# Altium PCB ir-24v-shit5-7.PcbDoc (part 1 of 6) (continued)
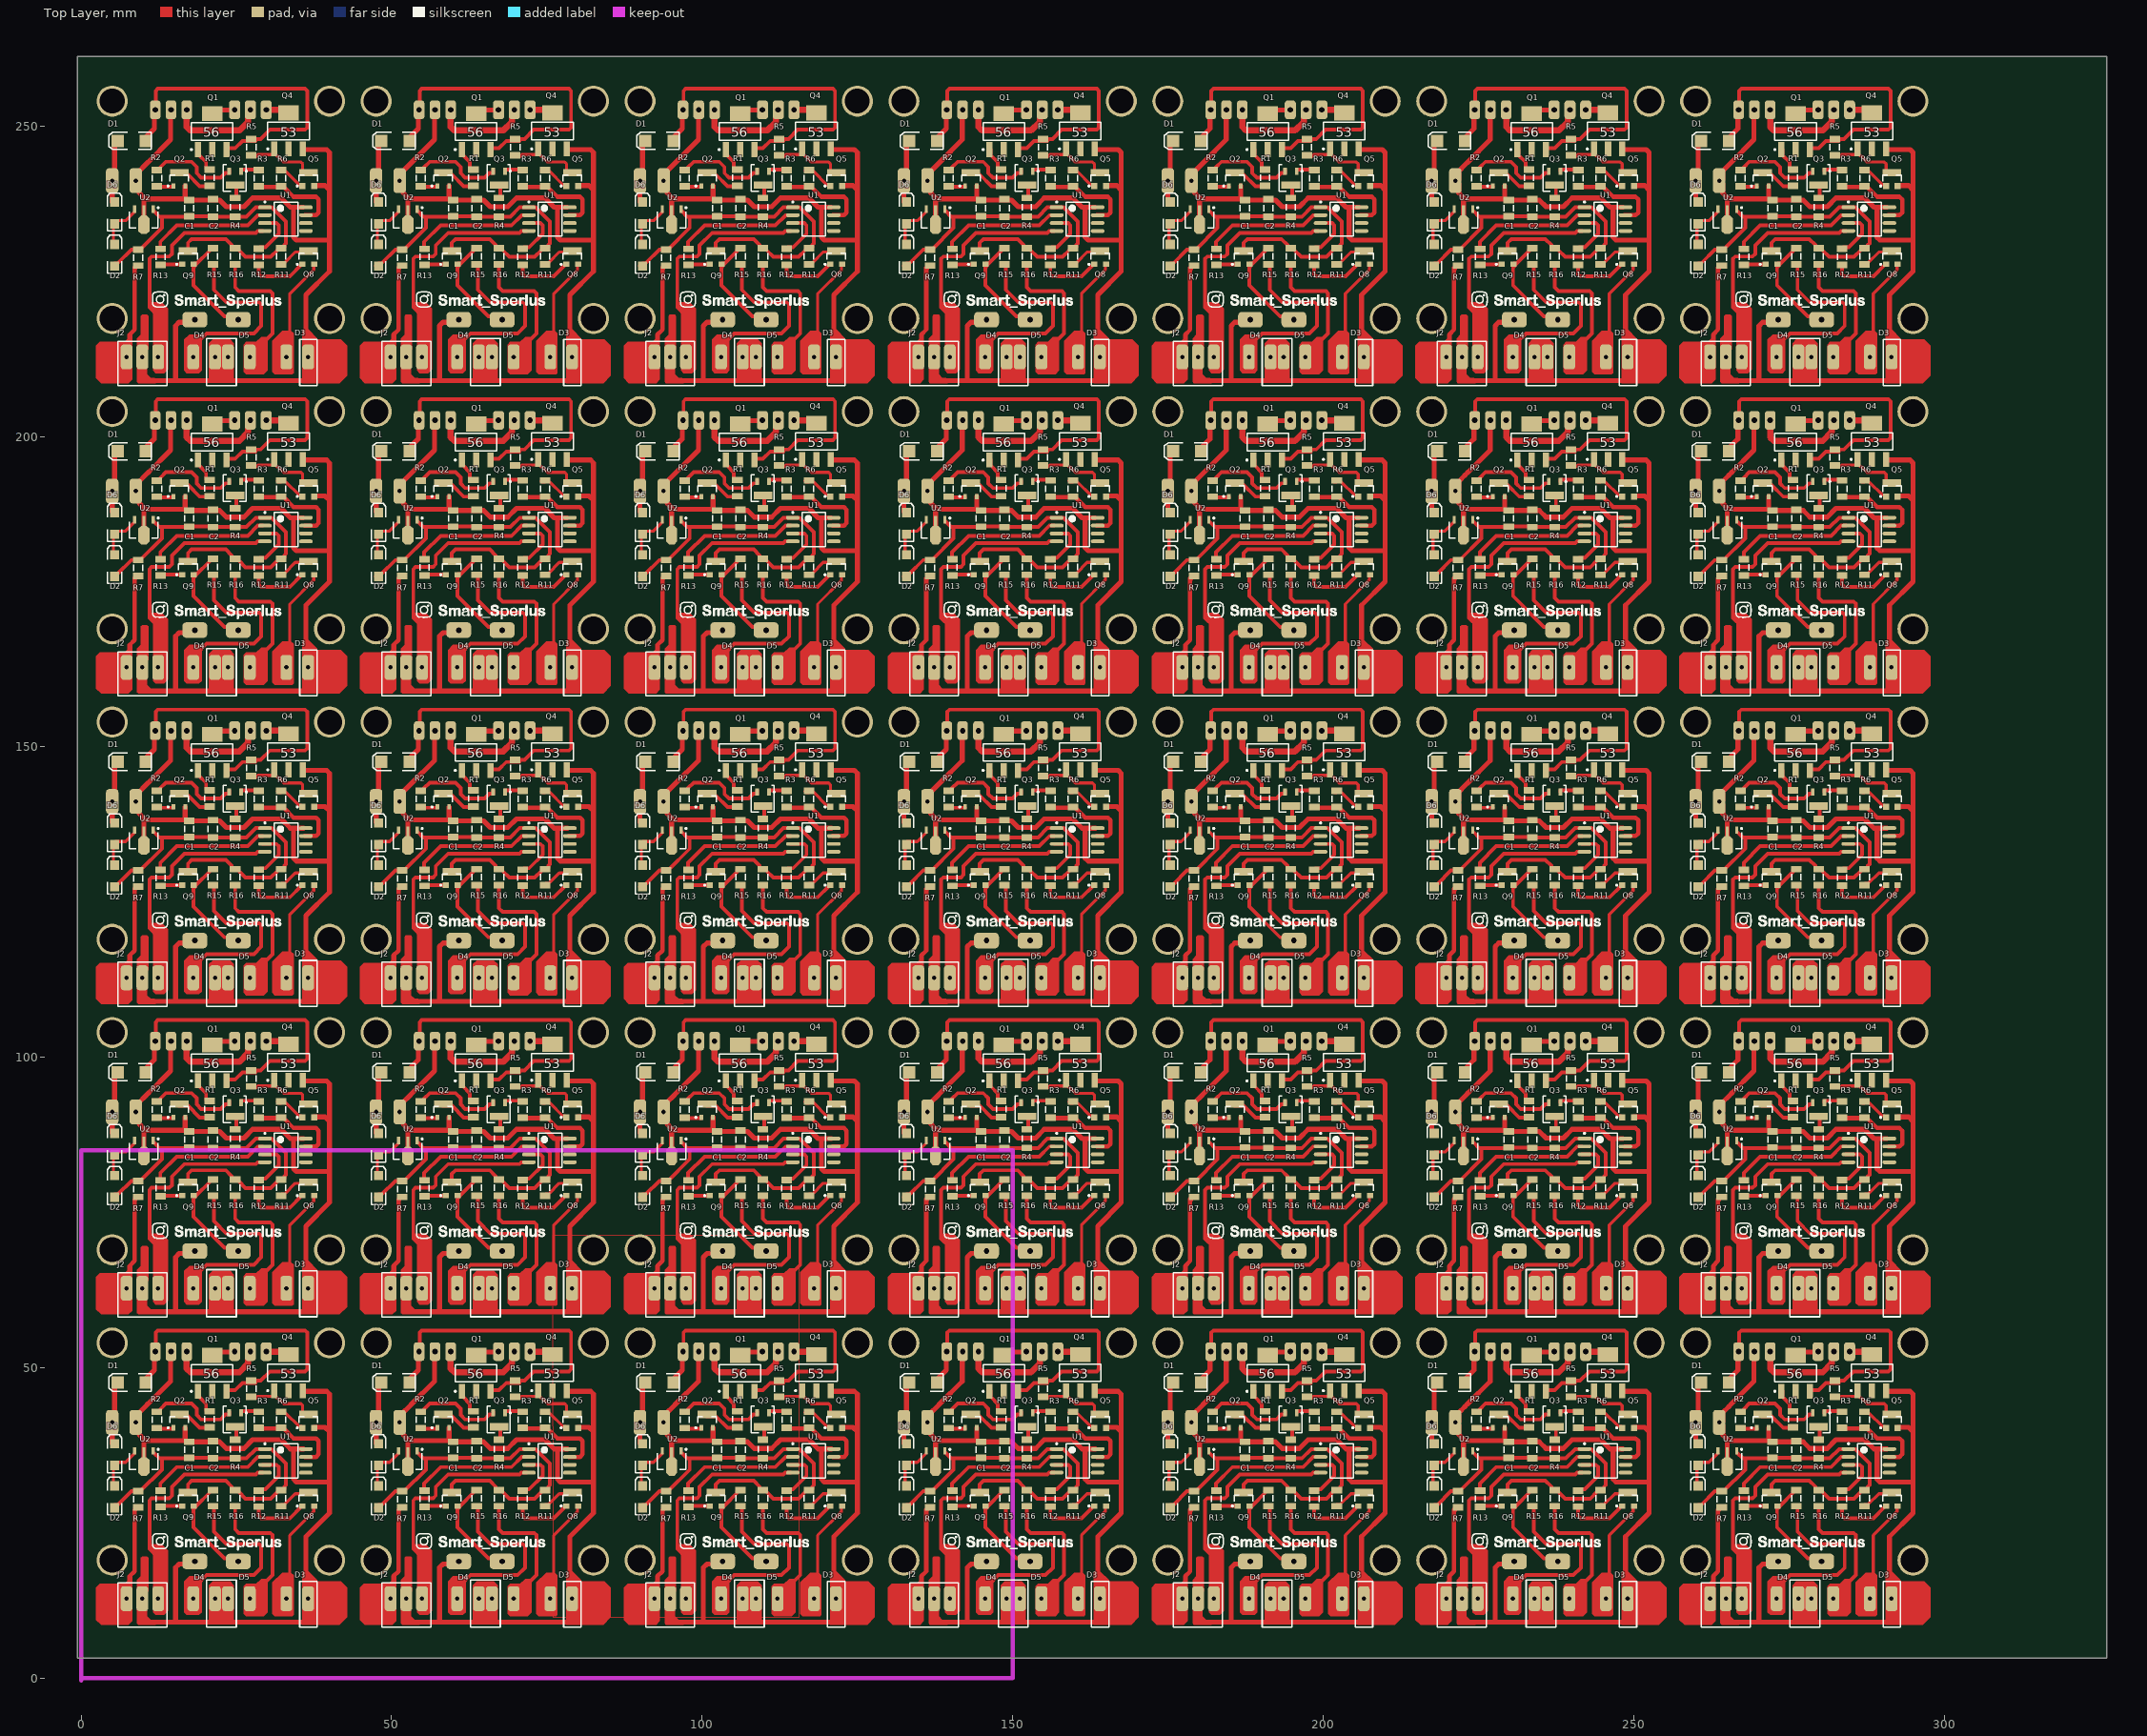
[diagram p0: Top Layer view]
## Components (designator, comment, footprint, x,y, rotation, side; value= is the part's Value field where it differs from the comment) (continued)
J1 "Header3X1" "HEADER 3X1"#1 194.72,102.6 r0 bottom
J1 "Header3X1" "HEADER 3X1"#1 194.72,152.6 r0 bottom
J1 "Header3X1" "HEADER 3X1"#1 194.72,202.6 r0 bottom
J1 "Header3X1" "HEADER 3X1"#1 194.72,252.6 r0 bottom
J1 "Header3X1" "HEADER 3X1"#1 152.22,52.6 r0 bottom
J1 "Header3X1" "HEADER 3X1"#1 152.22,102.6 r0 bottom
J1 "Header3X1" "HEADER 3X1"#1 152.22,152.6 r0 bottom
J1 "Header3X1" "HEADER 3X1"#1 152.22,202.6 r0 bottom
J1 "Header3X1" "HEADER 3X1"#1 152.22,252.6 r0 bottom
J1 "Header3X1" "HEADER 3X1"#1 109.72,52.6 r0 bottom
J1 "Header3X1" "HEADER 3X1"#1 109.72,102.6 r0 bottom
J1 "Header3X1" "HEADER 3X1"#1 109.72,152.6 r0 bottom
J1 "Header3X1" "HEADER 3X1"#1 109.72,202.6 r0 bottom
J1 "Header3X1" "HEADER 3X1"#1 109.72,252.6 r0 bottom
J1 "Header3X1" "HEADER 3X1"#1 67.22,52.6 r0 bottom
J1 "Header3X1" "HEADER 3X1"#1 67.22,102.6 r0 bottom
J1 "Header3X1" "HEADER 3X1"#1 67.22,152.6 r0 bottom
J1 "Header3X1" "HEADER 3X1"#1 67.22,202.6 r0 bottom
J1 "Header3X1" "HEADER 3X1"#1 67.22,252.6 r0 bottom
J1 "Header3X1" "HEADER 3X1"#1 24.72,52.6 r0 bottom
J1 "Header3X1" "HEADER 3X1"#1 24.72,102.6 r0 bottom
J1 "Header3X1" "HEADER 3X1"#1 24.72,152.6 r0 bottom
J1 "Header3X1" "HEADER 3X1"#1 24.72,202.6 r0 bottom
J1 "Header3X1" "HEADER 3X1"#1 24.72,252.6 r0 bottom
J2 "Header3X1" "HEADER 3X1"#2 262.32,12.8 r0 top
J2 "Header3X1" "HEADER 3X1"#2 262.32,62.8 r0 top
J2 "Header3X1" "HEADER 3X1"#2 262.32,112.8 r0 top
J2 "Header3X1" "HEADER 3X1"#2 262.32,162.8 r0 top
J2 "Header3X1" "HEADER 3X1"#2 262.32,212.8 r0 top
J2 "Header3X1" "HEADER 3X1"#2 219.82,12.8 r0 top
J2 "Header3X1" "HEADER 3X1"#2 219.82,62.8 r0 top
J2 "Header3X1" "HEADER 3X1"#2 219.82,112.8 r0 top
J2 "Header3X1" "HEADER 3X1"#2 219.82,162.8 r0 top
J2 "Header3X1" "HEADER 3X1"#2 219.82,212.8 r0 top
J2 "Header3X1" "HEADER 3X1"#2 177.32,12.8 r0 top
J2 "Header3X1" "HEADER 3X1"#2 177.32,62.8 r0 top
J2 "Header3X1" "HEADER 3X1"#2 177.32,112.8 r0 top
J2 "Header3X1" "HEADER 3X1"#2 177.32,162.8 r0 top
J2 "Header3X1" "HEADER 3X1"#2 177.32,212.8 r0 top
J2 "Header3X1" "HEADER 3X1"#2 134.82,12.8 r0 top
J2 "Header3X1" "HEADER 3X1"#2 134.82,62.8 r0 top
J2 "Header3X1" "HEADER 3X1"#2 134.82,112.8 r0 top
J2 "Header3X1" "HEADER 3X1"#2 134.82,162.8 r0 top
J2 "Header3X1" "HEADER 3X1"#2 134.82,212.8 r0 top
J2 "Header3X1" "HEADER 3X1"#2 92.32,12.8 r0 top
J2 "Header3X1" "HEADER 3X1"#2 92.32,62.8 r0 top
J2 "Header3X1" "HEADER 3X1"#2 92.32,112.8 r0 top
J2 "Header3X1" "HEADER 3X1"#2 92.32,162.8 r0 top
J2 "Header3X1" "HEADER 3X1"#2 92.32,212.8 r0 top
J2 "Header3X1" "HEADER 3X1"#2 49.82,12.8 r0 top
J2 "Header3X1" "HEADER 3X1"#2 49.82,62.8 r0 top
J2 "Header3X1" "HEADER 3X1"#2 49.82,112.8 r0 top
J2 "Header3X1" "HEADER 3X1"#2 49.82,162.8 r0 top
J2 "Header3X1" "HEADER 3X1"#2 49.82,212.8 r0 top
J2 "Header3X1" "HEADER 3X1"#2 7.32,12.8 r0 top
J2 "Header3X1" "HEADER 3X1"#2 7.32,62.8 r0 top
J2 "Header3X1" "HEADER 3X1"#2 7.32,112.8 r0 top
J2 "Header3X1" "HEADER 3X1"#2 7.32,162.8 r0 top
J2 "Header3X1" "HEADER 3X1"#2 7.32,212.8 r0 top
J3 "Header3X1" "HEADER 3X1"#3 266.92,52.6 r0 bottom
J3 "Header3X1" "HEADER 3X1"#3 266.92,102.6 r0 bottom
J3 "Header3X1" "HEADER 3X1"#3 266.92,152.6 r0 bottom
J3 "Header3X1" "HEADER 3X1"#3 266.92,202.6 r0 bottom
J3 "Header3X1" "HEADER 3X1"#3 266.92,252.6 r0 bottom
J3 "Header3X1" "HEADER 3X1"#3 224.42,52.6 r0 bottom
J3 "Header3X1" "HEADER 3X1"#3 224.42,102.6 r0 bottom
J3 "Header3X1" "HEADER 3X1"#3 224.42,152.6 r0 bottom
J3 "Header3X1" "HEADER 3X1"#3 224.42,202.6 r0 bottom
J3 "Header3X1" "HEADER 3X1"#3 224.42,252.6 r0 bottom
J3 "Header3X1" "HEADER 3X1"#3 181.92,52.6 r0 bottom
J3 "Header3X1" "HEADER 3X1"#3 181.92,102.6 r0 bottom
J3 "Header3X1" "HEADER 3X1"#3 181.92,152.6 r0 bottom
J3 "Header3X1" "HEADER 3X1"#3 181.92,202.6 r0 bottom
J3 "Header3X1" "HEADER 3X1"#3 181.92,252.6 r0 bottom
J3 "Header3X1" "HEADER 3X1"#3 139.42,52.6 r0 bottom
J3 "Header3X1" "HEADER 3X1"#3 139.42,102.6 r0 bottom
J3 "Header3X1" "HEADER 3X1"#3 139.42,152.6 r0 bottom
J3 "Header3X1" "HEADER 3X1"#3 139.42,202.6 r0 bottom
J3 "Header3X1" "HEADER 3X1"#3 139.42,252.6 r0 bottom
J3 "Header3X1" "HEADER 3X1"#3 96.92,52.6 r0 bottom
J3 "Header3X1" "HEADER 3X1"#3 96.92,102.6 r0 bottom
J3 "Header3X1" "HEADER 3X1"#3 96.92,152.6 r0 bottom
J3 "Header3X1" "HEADER 3X1"#3 96.92,202.6 r0 bottom
J3 "Header3X1" "HEADER 3X1"#3 96.92,252.6 r0 bottom
J3 "Header3X1" "HEADER 3X1"#3 54.42,52.6 r0 bottom
J3 "Header3X1" "HEADER 3X1"#3 54.42,102.6 r0 bottom
J3 "Header3X1" "HEADER 3X1"#3 54.42,152.6 r0 bottom
J3 "Header3X1" "HEADER 3X1"#3 54.42,202.6 r0 bottom
J3 "Header3X1" "HEADER 3X1"#3 54.42,252.6 r0 bottom
J3 "Header3X1" "HEADER 3X1"#3 11.92,52.6 r0 bottom
J3 "Header3X1" "HEADER 3X1"#3 11.92,102.6 r0 bottom
J3 "Header3X1" "HEADER 3X1"#3 11.92,152.6 r0 bottom
J3 "Header3X1" "HEADER 3X1"#3 11.92,202.6 r0 bottom
J3 "Header3X1" "HEADER 3X1"#3 11.92,252.6 r0 bottom
Q1 "MOSFET-P4" SOT223_N 276.1,49.1 r90 top
Q1 "MOSFET-P4" SOT223_N 276.1,99.1 r90 top
Q1 "MOSFET-P4" SOT223_N 276.1,149.1 r90 top
Q1 "MOSFET-P4" SOT223_N 276.1,199.1 r90 top
Q1 "MOSFET-P4" SOT223_N 276.1,249.1 r90 top
Q1 "MOSFET-P4" SOT223_N 233.6,49.1 r90 top
Q1 "MOSFET-P4" SOT223_N 233.6,99.1 r90 top
Q1 "MOSFET-P4" SOT223_N 233.6,149.1 r90 top
Q1 "MOSFET-P4" SOT223_N 233.6,199.1 r90 top
Q1 "MOSFET-P4" SOT223_N 233.6,249.1 r90 top
Q1 "MOSFET-P4" SOT223_N 191.1,49.1 r90 top
Q1 "MOSFET-P4" SOT223_N 191.1,99.1 r90 top
Q1 "MOSFET-P4" SOT223_N 191.1,149.1 r90 top
Q1 "MOSFET-P4" SOT223_N 191.1,199.1 r90 top
Q1 "MOSFET-P4" SOT223_N 191.1,249.1 r90 top
Q1 "MOSFET-P4" SOT223_N 148.6,49.1 r90 top
Q1 "MOSFET-P4" SOT223_N 148.6,99.1 r90 top
Q1 "MOSFET-P4" SOT223_N 148.6,149.1 r90 top
Q1 "MOSFET-P4" SOT223_N 148.6,199.1 r90 top
Q1 "MOSFET-P4" SOT223_N 148.6,249.1 r90 top
Q1 "MOSFET-P4" SOT223_N 106.1,49.1 r90 top
Q1 "MOSFET-P4" SOT223_N 106.1,99.1 r90 top
Q1 "MOSFET-P4" SOT223_N 106.1,149.1 r90 top
Q1 "MOSFET-P4" SOT223_N 106.1,199.1 r90 top
Q1 "MOSFET-P4" SOT223_N 106.1,249.1 r90 top
Q1 "MOSFET-P4" SOT223_N 63.6,49.1 r90 top
Q1 "MOSFET-P4" SOT223_N 63.6,99.1 r90 top
Q1 "MOSFET-P4" SOT223_N 63.6,149.1 r90 top
Q1 "MOSFET-P4" SOT223_N 63.6,199.1 r90 top
Q1 "MOSFET-P4" SOT223_N 63.6,249.1 r90 top
Q1 "MOSFET-P4" SOT223_N 21.1,49.1 r90 top
Q1 "MOSFET-P4" SOT223_N 21.1,99.1 r90 top
Q1 "MOSFET-P4" SOT223_N 21.1,149.1 r90 top
Q1 "MOSFET-P4" SOT223_N 21.1,199.1 r90 top
Q1 "MOSFET-P4" SOT223_N 21.1,249.1 r90 top
Q2 "QNPN" SOT-23B_L#1 270.8,41.4 r90 top
Q2 "QNPN" SOT-23B_L#1 270.8,91.4 r90 top
Q2 "QNPN" SOT-23B_L#1 270.8,141.4 r90 top
Q2 "QNPN" SOT-23B_L#1 270.8,191.4 r90 top
Q2 "QNPN" SOT-23B_L#1 270.8,241.4 r90 top
Q2 "QNPN" SOT-23B_L#1 228.3,41.4 r90 top
Q2 "QNPN" SOT-23B_L#1 228.3,91.4 r90 top
Q2 "QNPN" SOT-23B_L#1 228.3,141.4 r90 top
Q2 "QNPN" SOT-23B_L#1 228.3,191.4 r90 top
Q2 "QNPN" SOT-23B_L#1 228.3,241.4 r90 top
Q2 "QNPN" SOT-23B_L#1 185.8,41.4 r90 top
Q2 "QNPN" SOT-23B_L#1 185.8,91.4 r90 top
Q2 "QNPN" SOT-23B_L#1 185.8,141.4 r90 top
Q2 "QNPN" SOT-23B_L#1 185.8,191.4 r90 top
Q2 "QNPN" SOT-23B_L#1 185.8,241.4 r90 top
Q2 "QNPN" SOT-23B_L#1 143.3,41.4 r90 top
Q2 "QNPN" SOT-23B_L#1 143.3,91.4 r90 top
Q2 "QNPN" SOT-23B_L#1 143.3,141.4 r90 top
Q2 "QNPN" SOT-23B_L#1 143.3,191.4 r90 top
Q2 "QNPN" SOT-23B_L#1 143.3,241.4 r90 top
Q2 "QNPN" SOT-23B_L#1 100.8,41.4 r90 top
Q2 "QNPN" SOT-23B_L#1 100.8,91.4 r90 top
Q2 "QNPN" SOT-23B_L#1 100.8,141.4 r90 top
Q2 "QNPN" SOT-23B_L#1 100.8,191.4 r90 top
Q2 "QNPN" SOT-23B_L#1 100.8,241.4 r90 top
Q2 "QNPN" SOT-23B_L#1 58.3,41.4 r90 top
Q2 "QNPN" SOT-23B_L#1 58.3,91.4 r90 top
Q2 "QNPN" SOT-23B_L#1 58.3,141.4 r90 top
Q2 "QNPN" SOT-23B_L#1 58.3,191.4 r90 top
Q2 "QNPN" SOT-23B_L#1 58.3,241.4 r90 top
Q2 "QNPN" SOT-23B_L#1 15.8,41.4 r90 top
Q2 "QNPN" SOT-23B_L#1 15.8,91.4 r90 top
Q2 "QNPN" SOT-23B_L#1 15.8,141.4 r90 top
Q2 "QNPN" SOT-23B_L#1 15.8,191.4 r90 top
Q2 "QNPN" SOT-23B_L#1 15.8,241.4 r90 top
Q3 "PNP" SOT-23B_N 279.8,41.6 r270 top
Q3 "PNP" SOT-23B_N 279.8,91.6 r270 top
Q3 "PNP" SOT-23B_N 279.8,141.6 r270 top
Q3 "PNP" SOT-23B_N 279.8,191.6 r270 top
Q3 "PNP" SOT-23B_N 279.8,241.6 r270 top
Q3 "PNP" SOT-23B_N 237.3,41.6 r270 top
Q3 "PNP" SOT-23B_N 237.3,91.6 r270 top
Q3 "PNP" SOT-23B_N 237.3,141.6 r270 top
Q3 "PNP" SOT-23B_N 237.3,191.6 r270 top
Q3 "PNP" SOT-23B_N 237.3,241.6 r270 top
Q3 "PNP" SOT-23B_N 194.8,41.6 r270 top
Q3 "PNP" SOT-23B_N 194.8,91.6 r270 top
Q3 "PNP" SOT-23B_N 194.8,141.6 r270 top
Q3 "PNP" SOT-23B_N 194.8,191.6 r270 top
Q3 "PNP" SOT-23B_N 194.8,241.6 r270 top
Q3 "PNP" SOT-23B_N 152.3,41.6 r270 top
Q3 "PNP" SOT-23B_N 152.3,91.6 r270 top
Q3 "PNP" SOT-23B_N 152.3,141.6 r270 top
Q3 "PNP" SOT-23B_N 152.3,191.6 r270 top
Q3 "PNP" SOT-23B_N 152.3,241.6 r270 top
Q3 "PNP" SOT-23B_N 109.8,41.6 r270 top
Q3 "PNP" SOT-23B_N 109.8,91.6 r270 top
Q3 "PNP" SOT-23B_N 109.8,141.6 r270 top
Q3 "PNP" SOT-23B_N 109.8,191.6 r270 top
Q3 "PNP" SOT-23B_N 109.8,241.6 r270 top
Q3 "PNP" SOT-23B_N 67.3,41.6 r270 top
Q3 "PNP" SOT-23B_N 67.3,91.6 r270 top
Q3 "PNP" SOT-23B_N 67.3,141.6 r270 top
Q3 "PNP" SOT-23B_N 67.3,191.6 r270 top
Q3 "PNP" SOT-23B_N 67.3,241.6 r270 top
Q3 "PNP" SOT-23B_N 24.8,41.6 r270 top
Q3 "PNP" SOT-23B_N 24.8,91.6 r270 top
Q3 "PNP" SOT-23B_N 24.8,141.6 r270 top
Q3 "PNP" SOT-23B_N 24.8,191.6 r270 top
Q3 "PNP" SOT-23B_N 24.8,241.6 r270 top
Q4 "MOSFET-P4" SOT223_N 288.4,49.2 r90 top
Q4 "MOSFET-P4" SOT223_N 288.4,99.2 r90 top
Q4 "MOSFET-P4" SOT223_N 288.4,149.2 r90 top
Q4 "MOSFET-P4" SOT223_N 288.4,199.2 r90 top
Q4 "MOSFET-P4" SOT223_N 288.4,249.2 r90 top
Q4 "MOSFET-P4" SOT223_N 245.9,49.2 r90 top
Q4 "MOSFET-P4" SOT223_N 245.9,99.2 r90 top
Q4 "MOSFET-P4" SOT223_N 245.9,149.2 r90 top
Q4 "MOSFET-P4" SOT223_N 245.9,199.2 r90 top
Q4 "MOSFET-P4" SOT223_N 245.9,249.2 r90 top
Q4 "MOSFET-P4" SOT223_N 203.4,49.2 r90 top
Q4 "MOSFET-P4" SOT223_N 203.4,99.2 r90 top
Q4 "MOSFET-P4" SOT223_N 203.4,149.2 r90 top
Q4 "MOSFET-P4" SOT223_N 203.4,199.2 r90 top
Q4 "MOSFET-P4" SOT223_N 203.4,249.2 r90 top
Q4 "MOSFET-P4" SOT223_N 160.9,49.2 r90 top
Q4 "MOSFET-P4" SOT223_N 160.9,99.2 r90 top
Q4 "MOSFET-P4" SOT223_N 160.9,149.2 r90 top
Q4 "MOSFET-P4" SOT223_N 160.9,199.2 r90 top
Q4 "MOSFET-P4" SOT223_N 160.9,249.2 r90 top
Q4 "MOSFET-P4" SOT223_N 118.4,49.2 r90 top
Q4 "MOSFET-P4" SOT223_N 118.4,99.2 r90 top
Q4 "MOSFET-P4" SOT223_N 118.4,149.2 r90 top
Q4 "MOSFET-P4" SOT223_N 118.4,199.2 r90 top
Q4 "MOSFET-P4" SOT223_N 118.4,249.2 r90 top
Q4 "MOSFET-P4" SOT223_N 75.9,49.2 r90 top
Q4 "MOSFET-P4" SOT223_N 75.9,99.2 r90 top
Q4 "MOSFET-P4" SOT223_N 75.9,149.2 r90 top
Q4 "MOSFET-P4" SOT223_N 75.9,199.2 r90 top
Q4 "MOSFET-P4" SOT223_N 75.9,249.2 r90 top
Q4 "MOSFET-P4" SOT223_N 33.4,49.2 r90 top
Q4 "MOSFET-P4" SOT223_N 33.4,99.2 r90 top
Q4 "MOSFET-P4" SOT223_N 33.4,149.2 r90 top
Q4 "MOSFET-P4" SOT223_N 33.4,199.2 r90 top
Q4 "MOSFET-P4" SOT223_N 33.4,249.2 r90 top
Q5 "QNPN" SOT-23B_L#2 291.6,41.4 r90 top
Q5 "QNPN" SOT-23B_L#2 291.6,91.4 r90 top
Q5 "QNPN" SOT-23B_L#2 291.6,141.4 r90 top
Q5 "QNPN" SOT-23B_L#2 291.6,191.4 r90 top
Q5 "QNPN" SOT-23B_L#2 291.6,241.4 r90 top
Q5 "QNPN" SOT-23B_L#2 249.1,41.4 r90 top
Q5 "QNPN" SOT-23B_L#2 249.1,91.4 r90 top
Q5 "QNPN" SOT-23B_L#2 249.1,141.4 r90 top
Q5 "QNPN" SOT-23B_L#2 249.1,191.4 r90 top
Q5 "QNPN" SOT-23B_L#2 249.1,241.4 r90 top
Q5 "QNPN" SOT-23B_L#2 206.6,41.4 r90 top
Q5 "QNPN" SOT-23B_L#2 206.6,91.4 r90 top
Q5 "QNPN" SOT-23B_L#2 206.6,141.4 r90 top
Q5 "QNPN" SOT-23B_L#2 206.6,191.4 r90 top
Q5 "QNPN" SOT-23B_L#2 206.6,241.4 r90 top
Q5 "QNPN" SOT-23B_L#2 164.1,41.4 r90 top
Q5 "QNPN" SOT-23B_L#2 164.1,91.4 r90 top
Q5 "QNPN" SOT-23B_L#2 164.1,141.4 r90 top
Q5 "QNPN" SOT-23B_L#2 164.1,191.4 r90 top
Q5 "QNPN" SOT-23B_L#2 164.1,241.4 r90 top
Q5 "QNPN" SOT-23B_L#2 121.6,41.4 r90 top
Q5 "QNPN" SOT-23B_L#2 121.6,91.4 r90 top
Q5 "QNPN" SOT-23B_L#2 121.6,141.4 r90 top
Q5 "QNPN" SOT-23B_L#2 121.6,191.4 r90 top
Q5 "QNPN" SOT-23B_L#2 121.6,241.4 r90 top
Q5 "QNPN" SOT-23B_L#2 79.1,41.4 r90 top
Q5 "QNPN" SOT-23B_L#2 79.1,91.4 r90 top
Q5 "QNPN" SOT-23B_L#2 79.1,141.4 r90 top
Q5 "QNPN" SOT-23B_L#2 79.1,191.4 r90 top
Q5 "QNPN" SOT-23B_L#2 79.1,241.4 r90 top
Q5 "QNPN" SOT-23B_L#2 36.6,41.4 r90 top
Q5 "QNPN" SOT-23B_L#2 36.6,91.4 r90 top
Q5 "QNPN" SOT-23B_L#2 36.6,141.4 r90 top
Q5 "QNPN" SOT-23B_L#2 36.6,191.4 r90 top
Q5 "QNPN" SOT-23B_L#2 36.6,241.4 r90 top
Q8 "QNPN" SOT-23B_L#3 291.6,28.8 r90 top
Q8 "QNPN" SOT-23B_L#3 291.6,78.8 r90 top
Q8 "QNPN" SOT-23B_L#3 291.6,128.8 r90 top
Q8 "QNPN" SOT-23B_L#3 291.6,178.8 r90 top
Q8 "QNPN" SOT-23B_L#3 291.6,228.8 r90 top
Q8 "QNPN" SOT-23B_L#3 249.1,28.8 r90 top
Q8 "QNPN" SOT-23B_L#3 249.1,78.8 r90 top
Q8 "QNPN" SOT-23B_L#3 249.1,128.8 r90 top
Q8 "QNPN" SOT-23B_L#3 249.1,178.8 r90 top
Q8 "QNPN" SOT-23B_L#3 249.1,228.8 r90 top
Q8 "QNPN" SOT-23B_L#3 206.6,28.8 r90 top
Q8 "QNPN" SOT-23B_L#3 206.6,78.8 r90 top
Q8 "QNPN" SOT-23B_L#3 206.6,128.8 r90 top
Q8 "QNPN" SOT-23B_L#3 206.6,178.8 r90 top
Q8 "QNPN" SOT-23B_L#3 206.6,228.8 r90 top
Q8 "QNPN" SOT-23B_L#3 164.1,28.8 r90 top
Q8 "QNPN" SOT-23B_L#3 164.1,78.8 r90 top
Q8 "QNPN" SOT-23B_L#3 164.1,128.8 r90 top
Q8 "QNPN" SOT-23B_L#3 164.1,178.8 r90 top
Q8 "QNPN" SOT-23B_L#3 164.1,228.8 r90 top
Q8 "QNPN" SOT-23B_L#3 121.6,28.8 r90 top
Q8 "QNPN" SOT-23B_L#3 121.6,78.8 r90 top
Q8 "QNPN" SOT-23B_L#3 121.6,128.8 r90 top
Q8 "QNPN" SOT-23B_L#3 121.6,178.8 r90 top
Q8 "QNPN" SOT-23B_L#3 121.6,228.8 r90 top
Q8 "QNPN" SOT-23B_L#3 79.1,28.8 r90 top
Q8 "QNPN" SOT-23B_L#3 79.1,78.8 r90 top
Q8 "QNPN" SOT-23B_L#3 79.1,128.8 r90 top
Q8 "QNPN" SOT-23B_L#3 79.1,178.8 r90 top
Q8 "QNPN" SOT-23B_L#3 79.1,228.8 r90 top
Q8 "QNPN" SOT-23B_L#3 36.6,28.8 r90 top
Q8 "QNPN" SOT-23B_L#3 36.6,78.8 r90 top
Q8 "QNPN" SOT-23B_L#3 36.6,128.8 r90 top
Q8 "QNPN" SOT-23B_L#3 36.6,178.8 r90 top
Q8 "QNPN" SOT-23B_L#3 36.6,228.8 r90 top
Q9 "QNPN" SOT-23B_L#3 272.2,28.8 r90 top
Q9 "QNPN" SOT-23B_L#3 272.2,78.8 r90 top
Q9 "QNPN" SOT-23B_L#3 272.2,128.8 r90 top
Q9 "QNPN" SOT-23B_L#3 272.2,178.8 r90 top
Q9 "QNPN" SOT-23B_L#3 272.2,228.8 r90 top
Q9 "QNPN" SOT-23B_L#3 229.7,28.8 r90 top
Q9 "QNPN" SOT-23B_L#3 229.7,78.8 r90 top
Q9 "QNPN" SOT-23B_L#3 229.7,128.8 r90 top
Q9 "QNPN" SOT-23B_L#3 229.7,178.8 r90 top
Q9 "QNPN" SOT-23B_L#3 229.7,228.8 r90 top
Q9 "QNPN" SOT-23B_L#3 187.2,28.8 r90 top
Q9 "QNPN" SOT-23B_L#3 187.2,78.8 r90 top
Q9 "QNPN" SOT-23B_L#3 187.2,128.8 r90 top
Q9 "QNPN" SOT-23B_L#3 187.2,178.8 r90 top
Q9 "QNPN" SOT-23B_L#3 187.2,228.8 r90 top
Q9 "QNPN" SOT-23B_L#3 144.7,28.8 r90 top
Q9 "QNPN" SOT-23B_L#3 144.7,78.8 r90 top
Q9 "QNPN" SOT-23B_L#3 144.7,128.8 r90 top
Q9 "QNPN" SOT-23B_L#3 144.7,178.8 r90 top
Q9 "QNPN" SOT-23B_L#3 144.7,228.8 r90 top
Q9 "QNPN" SOT-23B_L#3 102.2,28.8 r90 top
Q9 "QNPN" SOT-23B_L#3 102.2,78.8 r90 top
Q9 "QNPN" SOT-23B_L#3 102.2,128.8 r90 top
Q9 "QNPN" SOT-23B_L#3 102.2,178.8 r90 top
Q9 "QNPN" SOT-23B_L#3 102.2,228.8 r90 top
Q9 "QNPN" SOT-23B_L#3 59.7,28.8 r90 top
Q9 "QNPN" SOT-23B_L#3 59.7,78.8 r90 top
Q9 "QNPN" SOT-23B_L#3 59.7,128.8 r90 top
Q9 "QNPN" SOT-23B_L#3 59.7,178.8 r90 top
Q9 "QNPN" SOT-23B_L#3 59.7,228.8 r90 top
Q9 "QNPN" SOT-23B_L#3 17.2,28.8 r90 top
Q9 "QNPN" SOT-23B_L#3 17.2,78.8 r90 top
Q9 "QNPN" SOT-23B_L#3 17.2,128.8 r90 top
Q9 "QNPN" SOT-23B_L#3 17.2,178.8 r90 top
Q9 "QNPN" SOT-23B_L#3 17.2,228.8 r90 top
R1 "10K" "RES 1206 (3216X08L)"#1 275.668,41.676 r90 top
R1 "10K" "RES 1206 (3216X08L)"#1 275.668,91.676 r90 top
R1 "10K" "RES 1206 (3216X08L)"#1 275.668,141.676 r90 top
R1 "10K" "RES 1206 (3216X08L)"#1 275.668,191.676 r90 top
R1 "10K" "RES 1206 (3216X08L)"#1 275.668,241.676 r90 top
R1 "10K" "RES 1206 (3216X08L)"#1 233.168,41.676 r90 top
R1 "10K" "RES 1206 (3216X08L)"#1 233.168,91.676 r90 top
R1 "10K" "RES 1206 (3216X08L)"#1 233.168,141.676 r90 top
R1 "10K" "RES 1206 (3216X08L)"#1 233.168,191.676 r90 top
R1 "10K" "RES 1206 (3216X08L)"#1 233.168,241.676 r90 top
R1 "10K" "RES 1206 (3216X08L)"#1 190.668,41.676 r90 top
R1 "10K" "RES 1206 (3216X08L)"#1 190.668,91.676 r90 top
R1 "10K" "RES 1206 (3216X08L)"#1 190.668,141.676 r90 top
R1 "10K" "RES 1206 (3216X08L)"#1 190.668,191.676 r90 top
R1 "10K" "RES 1206 (3216X08L)"#1 190.668,241.676 r90 top
R1 "10K" "RES 1206 (3216X08L)"#1 148.168,41.676 r90 top
R1 "10K" "RES 1206 (3216X08L)"#1 148.168,91.676 r90 top
R1 "10K" "RES 1206 (3216X08L)"#1 148.168,141.676 r90 top
R1 "10K" "RES 1206 (3216X08L)"#1 148.168,191.676 r90 top
R1 "10K" "RES 1206 (3216X08L)"#1 148.168,241.676 r90 top
R1 "10K" "RES 1206 (3216X08L)"#1 105.668,41.676 r90 top
R1 "10K" "RES 1206 (3216X08L)"#1 105.668,91.676 r90 top
R1 "10K" "RES 1206 (3216X08L)"#1 105.668,141.676 r90 top
R1 "10K" "RES 1206 (3216X08L)"#1 105.668,191.676 r90 top
R1 "10K" "RES 1206 (3216X08L)"#1 105.668,241.676 r90 top
R1 "10K" "RES 1206 (3216X08L)"#1 63.168,41.676 r90 top
R1 "10K" "RES 1206 (3216X08L)"#1 63.168,91.676 r90 top
R1 "10K" "RES 1206 (3216X08L)"#1 63.168,141.676 r90 top
R1 "10K" "RES 1206 (3216X08L)"#1 63.168,191.676 r90 top
R1 "10K" "RES 1206 (3216X08L)"#1 63.168,241.676 r90 top
R1 "10K" "RES 1206 (3216X08L)"#1 20.668,41.676 r90 top
R1 "10K" "RES 1206 (3216X08L)"#1 20.668,91.676 r90 top
R1 "10K" "RES 1206 (3216X08L)"#1 20.668,141.676 r90 top
R1 "10K" "RES 1206 (3216X08L)"#1 20.668,191.676 r90 top
R1 "10K" "RES 1206 (3216X08L)"#1 20.668,241.676 r90 top
R2 "10K" "RES 1206 (3216X08L)"#1 267.2,41.6 r270 top
R2 "10K" "RES 1206 (3216X08L)"#1 267.2,91.6 r270 top
R2 "10K" "RES 1206 (3216X08L)"#1 267.2,141.6 r270 top
R2 "10K" "RES 1206 (3216X08L)"#1 267.2,191.6 r270 top
R2 "10K" "RES 1206 (3216X08L)"#1 267.2,241.6 r270 top
R2 "10K" "RES 1206 (3216X08L)"#1 224.7,41.6 r270 top
R2 "10K" "RES 1206 (3216X08L)"#1 224.7,91.6 r270 top
R2 "10K" "RES 1206 (3216X08L)"#1 224.7,141.6 r270 top
R2 "10K" "RES 1206 (3216X08L)"#1 224.7,191.6 r270 top
R2 "10K" "RES 1206 (3216X08L)"#1 224.7,241.6 r270 top
R2 "10K" "RES 1206 (3216X08L)"#1 182.2,41.6 r270 top
R2 "10K" "RES 1206 (3216X08L)"#1 182.2,91.6 r270 top
R2 "10K" "RES 1206 (3216X08L)"#1 182.2,141.6 r270 top
R2 "10K" "RES 1206 (3216X08L)"#1 182.2,191.6 r270 top
R2 "10K" "RES 1206 (3216X08L)"#1 182.2,241.6 r270 top
R2 "10K" "RES 1206 (3216X08L)"#1 139.7,41.6 r270 top
R2 "10K" "RES 1206 (3216X08L)"#1 139.7,91.6 r270 top
R2 "10K" "RES 1206 (3216X08L)"#1 139.7,141.6 r270 top
R2 "10K" "RES 1206 (3216X08L)"#1 139.7,191.6 r270 top
R2 "10K" "RES 1206 (3216X08L)"#1 139.7,241.6 r270 top
R2 "10K" "RES 1206 (3216X08L)"#1 97.2,41.6 r270 top
R2 "10K" "RES 1206 (3216X08L)"#1 97.2,91.6 r270 top
R2 "10K" "RES 1206 (3216X08L)"#1 97.2,141.6 r270 top
R2 "10K" "RES 1206 (3216X08L)"#1 97.2,191.6 r270 top
R2 "10K" "RES 1206 (3216X08L)"#1 97.2,241.6 r270 top
R2 "10K" "RES 1206 (3216X08L)"#1 54.7,41.6 r270 top
R2 "10K" "RES 1206 (3216X08L)"#1 54.7,91.6 r270 top
R2 "10K" "RES 1206 (3216X08L)"#1 54.7,141.6 r270 top
R2 "10K" "RES 1206 (3216X08L)"#1 54.7,191.6 r270 top
R2 "10K" "RES 1206 (3216X08L)"#1 54.7,241.6 r270 top
R2 "10K" "RES 1206 (3216X08L)"#1 12.2,41.6 r270 top
R2 "10K" "RES 1206 (3216X08L)"#1 12.2,91.6 r270 top
R2 "10K" "RES 1206 (3216X08L)"#1 12.2,141.6 r270 top
R2 "10K" "RES 1206 (3216X08L)"#1 12.2,191.6 r270 top
R2 "10K" "RES 1206 (3216X08L)"#1 12.2,241.6 r270 top
R3 "10K" "RES 1206 (3216X08L)"#1 283.6,41.6 r90 top
R3 "10K" "RES 1206 (3216X08L)"#1 283.6,91.6 r90 top
R3 "10K" "RES 1206 (3216X08L)"#1 283.6,141.6 r90 top
R3 "10K" "RES 1206 (3216X08L)"#1 283.6,191.6 r90 top
R3 "10K" "RES 1206 (3216X08L)"#1 283.6,241.6 r90 top
R3 "10K" "RES 1206 (3216X08L)"#1 241.1,41.6 r90 top
R3 "10K" "RES 1206 (3216X08L)"#1 241.1,91.6 r90 top
R3 "10K" "RES 1206 (3216X08L)"#1 241.1,141.6 r90 top
R3 "10K" "RES 1206 (3216X08L)"#1 241.1,191.6 r90 top
R3 "10K" "RES 1206 (3216X08L)"#1 241.1,241.6 r90 top
R3 "10K" "RES 1206 (3216X08L)"#1 198.6,41.6 r90 top
R3 "10K" "RES 1206 (3216X08L)"#1 198.6,91.6 r90 top
R3 "10K" "RES 1206 (3216X08L)"#1 198.6,141.6 r90 top
R3 "10K" "RES 1206 (3216X08L)"#1 198.6,191.6 r90 top
R3 "10K" "RES 1206 (3216X08L)"#1 198.6,241.6 r90 top
R3 "10K" "RES 1206 (3216X08L)"#1 156.1,41.6 r90 top
R3 "10K" "RES 1206 (3216X08L)"#1 156.1,91.6 r90 top
R3 "10K" "RES 1206 (3216X08L)"#1 156.1,141.6 r90 top
R3 "10K" "RES 1206 (3216X08L)"#1 156.1,191.6 r90 top
R3 "10K" "RES 1206 (3216X08L)"#1 156.1,241.6 r90 top
R3 "10K" "RES 1206 (3216X08L)"#1 113.6,41.6 r90 top
R3 "10K" "RES 1206 (3216X08L)"#1 113.6,91.6 r90 top
R3 "10K" "RES 1206 (3216X08L)"#1 113.6,141.6 r90 top
R3 "10K" "RES 1206 (3216X08L)"#1 113.6,191.6 r90 top
R3 "10K" "RES 1206 (3216X08L)"#1 113.6,241.6 r90 top
R3 "10K" "RES 1206 (3216X08L)"#1 71.1,41.6 r90 top
R3 "10K" "RES 1206 (3216X08L)"#1 71.1,91.6 r90 top
R3 "10K" "RES 1206 (3216X08L)"#1 71.1,141.6 r90 top
R3 "10K" "RES 1206 (3216X08L)"#1 71.1,191.6 r90 top
R3 "10K" "RES 1206 (3216X08L)"#1 71.1,241.6 r90 top
R3 "10K" "RES 1206 (3216X08L)"#1 28.6,41.6 r90 top
R3 "10K" "RES 1206 (3216X08L)"#1 28.6,91.6 r90 top
R3 "10K" "RES 1206 (3216X08L)"#1 28.6,141.6 r90 top
R3 "10K" "RES 1206 (3216X08L)"#1 28.6,191.6 r90 top
R3 "10K" "RES 1206 (3216X08L)"#1 28.6,241.6 r90 top
R4 "10K" "RES 1206 (3216X08L)"#2 279.8,36.905 r270 top
R4 "10K" "RES 1206 (3216X08L)"#2 279.8,86.905 r270 top
R4 "10K" "RES 1206 (3216X08L)"#2 279.8,136.905 r270 top
R4 "10K" "RES 1206 (3216X08L)"#2 279.8,186.905 r270 top
R4 "10K" "RES 1206 (3216X08L)"#2 279.8,236.905 r270 top
R4 "10K" "RES 1206 (3216X08L)"#2 237.3,36.905 r270 top
R4 "10K" "RES 1206 (3216X08L)"#2 237.3,86.905 r270 top
R4 "10K" "RES 1206 (3216X08L)"#2 237.3,136.905 r270 top
R4 "10K" "RES 1206 (3216X08L)"#2 237.3,186.905 r270 top
R4 "10K" "RES 1206 (3216X08L)"#2 237.3,236.905 r270 top
R4 "10K" "RES 1206 (3216X08L)"#2 194.8,36.905 r270 top
R4 "10K" "RES 1206 (3216X08L)"#2 194.8,86.905 r270 top
R4 "10K" "RES 1206 (3216X08L)"#2 194.8,136.905 r270 top
R4 "10K" "RES 1206 (3216X08L)"#2 194.8,186.905 r270 top
R4 "10K" "RES 1206 (3216X08L)"#2 194.8,236.905 r270 top
R4 "10K" "RES 1206 (3216X08L)"#2 152.3,36.905 r270 top
R4 "10K" "RES 1206 (3216X08L)"#2 152.3,86.905 r270 top
R4 "10K" "RES 1206 (3216X08L)"#2 152.3,136.905 r270 top
R4 "10K" "RES 1206 (3216X08L)"#2 152.3,186.905 r270 top
R4 "10K" "RES 1206 (3216X08L)"#2 152.3,236.905 r270 top
R4 "10K" "RES 1206 (3216X08L)"#2 109.8,36.905 r270 top
R4 "10K" "RES 1206 (3216X08L)"#2 109.8,86.905 r270 top
R4 "10K" "RES 1206 (3216X08L)"#2 109.8,136.905 r270 top
R4 "10K" "RES 1206 (3216X08L)"#2 109.8,186.905 r270 top
R4 "10K" "RES 1206 (3216X08L)"#2 109.8,236.905 r270 top
R4 "10K" "RES 1206 (3216X08L)"#2 67.3,36.905 r270 top
R4 "10K" "RES 1206 (3216X08L)"#2 67.3,86.905 r270 top
R4 "10K" "RES 1206 (3216X08L)"#2 67.3,136.905 r270 top
R4 "10K" "RES 1206 (3216X08L)"#2 67.3,186.905 r270 top
R4 "10K" "RES 1206 (3216X08L)"#2 67.3,236.905 r270 top
R4 "10K" "RES 1206 (3216X08L)"#2 24.8,36.905 r270 top
R4 "10K" "RES 1206 (3216X08L)"#2 24.8,86.905 r270 top
R4 "10K" "RES 1206 (3216X08L)"#2 24.8,136.905 r270 top
R4 "10K" "RES 1206 (3216X08L)"#2 24.8,186.905 r270 top
R4 "10K" "RES 1206 (3216X08L)"#2 24.8,236.905 r270 top
R5 "10K" "RES 1206 (3216X08L)"#1 282.4,46.6 r90 top
R5 "10K" "RES 1206 (3216X08L)"#1 282.4,96.6 r90 top
R5 "10K" "RES 1206 (3216X08L)"#1 282.4,146.6 r90 top
R5 "10K" "RES 1206 (3216X08L)"#1 282.4,196.6 r90 top
R5 "10K" "RES 1206 (3216X08L)"#1 282.4,246.6 r90 top
R5 "10K" "RES 1206 (3216X08L)"#1 239.9,46.6 r90 top
R5 "10K" "RES 1206 (3216X08L)"#1 239.9,96.6 r90 top
R5 "10K" "RES 1206 (3216X08L)"#1 239.9,146.6 r90 top
R5 "10K" "RES 1206 (3216X08L)"#1 239.9,196.6 r90 top
R5 "10K" "RES 1206 (3216X08L)"#1 239.9,246.6 r90 top
R5 "10K" "RES 1206 (3216X08L)"#1 197.4,46.6 r90 top
R5 "10K" "RES 1206 (3216X08L)"#1 197.4,96.6 r90 top
R5 "10K" "RES 1206 (3216X08L)"#1 197.4,146.6 r90 top
R5 "10K" "RES 1206 (3216X08L)"#1 197.4,196.6 r90 top
R5 "10K" "RES 1206 (3216X08L)"#1 197.4,246.6 r90 top
R5 "10K" "RES 1206 (3216X08L)"#1 154.9,46.6 r90 top
R5 "10K" "RES 1206 (3216X08L)"#1 154.9,96.6 r90 top
R5 "10K" "RES 1206 (3216X08L)"#1 154.9,146.6 r90 top
R5 "10K" "RES 1206 (3216X08L)"#1 154.9,196.6 r90 top
R5 "10K" "RES 1206 (3216X08L)"#1 154.9,246.6 r90 top
R5 "10K" "RES 1206 (3216X08L)"#1 112.4,46.6 r90 top
R5 "10K" "RES 1206 (3216X08L)"#1 112.4,96.6 r90 top
R5 "10K" "RES 1206 (3216X08L)"#1 112.4,146.6 r90 top
R5 "10K" "RES 1206 (3216X08L)"#1 112.4,196.6 r90 top
R5 "10K" "RES 1206 (3216X08L)"#1 112.4,246.6 r90 top
R5 "10K" "RES 1206 (3216X08L)"#1 69.9,46.6 r90 top
R5 "10K" "RES 1206 (3216X08L)"#1 69.9,96.6 r90 top
R5 "10K" "RES 1206 (3216X08L)"#1 69.9,146.6 r90 top
R5 "10K" "RES 1206 (3216X08L)"#1 69.9,196.6 r90 top
R5 "10K" "RES 1206 (3216X08L)"#1 69.9,246.6 r90 top
R5 "10K" "RES 1206 (3216X08L)"#1 27.4,46.6 r90 top
R5 "10K" "RES 1206 (3216X08L)"#1 27.4,96.6 r90 top
R5 "10K" "RES 1206 (3216X08L)"#1 27.4,146.6 r90 top
R5 "10K" "RES 1206 (3216X08L)"#1 27.4,196.6 r90 top
R5 "10K" "RES 1206 (3216X08L)"#1 27.4,246.6 r90 top
R6 "10K" "RES 1206 (3216X08L)"#1 287.2,41.6 r90 top
R6 "10K" "RES 1206 (3216X08L)"#1 287.2,91.6 r90 top
R6 "10K" "RES 1206 (3216X08L)"#1 287.2,141.6 r90 top
R6 "10K" "RES 1206 (3216X08L)"#1 287.2,191.6 r90 top
R6 "10K" "RES 1206 (3216X08L)"#1 287.2,241.6 r90 top
R6 "10K" "RES 1206 (3216X08L)"#1 244.7,41.6 r90 top
R6 "10K" "RES 1206 (3216X08L)"#1 244.7,91.6 r90 top
R6 "10K" "RES 1206 (3216X08L)"#1 244.7,141.6 r90 top
R6 "10K" "RES 1206 (3216X08L)"#1 244.7,191.6 r90 top
R6 "10K" "RES 1206 (3216X08L)"#1 244.7,241.6 r90 top
R6 "10K" "RES 1206 (3216X08L)"#1 202.2,41.6 r90 top
R6 "10K" "RES 1206 (3216X08L)"#1 202.2,91.6 r90 top
R6 "10K" "RES 1206 (3216X08L)"#1 202.2,141.6 r90 top
R6 "10K" "RES 1206 (3216X08L)"#1 202.2,191.6 r90 top
R6 "10K" "RES 1206 (3216X08L)"#1 202.2,241.6 r90 top
R6 "10K" "RES 1206 (3216X08L)"#1 159.7,41.6 r90 top
R6 "10K" "RES 1206 (3216X08L)"#1 159.7,91.6 r90 top
R6 "10K" "RES 1206 (3216X08L)"#1 159.7,141.6 r90 top
R6 "10K" "RES 1206 (3216X08L)"#1 159.7,191.6 r90 top
R6 "10K" "RES 1206 (3216X08L)"#1 159.7,241.6 r90 top
R6 "10K" "RES 1206 (3216X08L)"#1 117.2,41.6 r90 top
R6 "10K" "RES 1206 (3216X08L)"#1 117.2,91.6 r90 top
R6 "10K" "RES 1206 (3216X08L)"#1 117.2,141.6 r90 top
R6 "10K" "RES 1206 (3216X08L)"#1 117.2,191.6 r90 top
R6 "10K" "RES 1206 (3216X08L)"#1 117.2,241.6 r90 top
R6 "10K" "RES 1206 (3216X08L)"#1 74.7,41.6 r90 top
R6 "10K" "RES 1206 (3216X08L)"#1 74.7,91.6 r90 top
R6 "10K" "RES 1206 (3216X08L)"#1 74.7,141.6 r90 top
R6 "10K" "RES 1206 (3216X08L)"#1 74.7,191.6 r90 top
R6 "10K" "RES 1206 (3216X08L)"#1 74.7,241.6 r90 top
R6 "10K" "RES 1206 (3216X08L)"#1 32.2,41.6 r90 top
R6 "10K" "RES 1206 (3216X08L)"#1 32.2,91.6 r90 top
R6 "10K" "RES 1206 (3216X08L)"#1 32.2,141.6 r90 top
R6 "10K" "RES 1206 (3216X08L)"#1 32.2,191.6 r90 top
R6 "10K" "RES 1206 (3216X08L)"#1 32.2,241.6 r90 top
R7 "10K" "RES 1206 (3216X08L)"#1 264.2,28.8 r90 top
R7 "10K" "RES 1206 (3216X08L)"#1 264.2,78.8 r90 top
R7 "10K" "RES 1206 (3216X08L)"#1 264.2,128.8 r90 top
R7 "10K" "RES 1206 (3216X08L)"#1 264.2,178.8 r90 top
R7 "10K" "RES 1206 (3216X08L)"#1 264.2,228.8 r90 top
R7 "10K" "RES 1206 (3216X08L)"#1 221.7,28.8 r90 top
R7 "10K" "RES 1206 (3216X08L)"#1 221.7,78.8 r90 top
R7 "10K" "RES 1206 (3216X08L)"#1 221.7,128.8 r90 top
R7 "10K" "RES 1206 (3216X08L)"#1 221.7,178.8 r90 top
R7 "10K" "RES 1206 (3216X08L)"#1 221.7,228.8 r90 top
R7 "10K" "RES 1206 (3216X08L)"#1 179.2,28.8 r90 top
R7 "10K" "RES 1206 (3216X08L)"#1 179.2,78.8 r90 top
R7 "10K" "RES 1206 (3216X08L)"#1 179.2,128.8 r90 top
R7 "10K" "RES 1206 (3216X08L)"#1 179.2,178.8 r90 top
R7 "10K" "RES 1206 (3216X08L)"#1 179.2,228.8 r90 top
R7 "10K" "RES 1206 (3216X08L)"#1 136.7,28.8 r90 top
R7 "10K" "RES 1206 (3216X08L)"#1 136.7,78.8 r90 top
R7 "10K" "RES 1206 (3216X08L)"#1 136.7,128.8 r90 top
R7 "10K" "RES 1206 (3216X08L)"#1 136.7,178.8 r90 top
R7 "10K" "RES 1206 (3216X08L)"#1 136.7,228.8 r90 top
R7 "10K" "RES 1206 (3216X08L)"#1 94.2,28.8 r90 top
R7 "10K" "RES 1206 (3216X08L)"#1 94.2,78.8 r90 top
R7 "10K" "RES 1206 (3216X08L)"#1 94.2,128.8 r90 top
R7 "10K" "RES 1206 (3216X08L)"#1 94.2,178.8 r90 top
R7 "10K" "RES 1206 (3216X08L)"#1 94.2,228.8 r90 top
R7 "10K" "RES 1206 (3216X08L)"#1 51.7,28.8 r90 top
R7 "10K" "RES 1206 (3216X08L)"#1 51.7,78.8 r90 top
R7 "10K" "RES 1206 (3216X08L)"#1 51.7,128.8 r90 top
R7 "10K" "RES 1206 (3216X08L)"#1 51.7,178.8 r90 top
R7 "10K" "RES 1206 (3216X08L)"#1 51.7,228.8 r90 top
R7 "10K" "RES 1206 (3216X08L)"#1 9.2,28.8 r90 top
R7 "10K" "RES 1206 (3216X08L)"#1 9.2,78.8 r90 top
R7 "10K" "RES 1206 (3216X08L)"#1 9.2,128.8 r90 top
R7 "10K" "RES 1206 (3216X08L)"#1 9.2,178.8 r90 top
R7 "10K" "RES 1206 (3216X08L)"#1 9.2,228.8 r90 top
R11 "10K" "RES 1206 (3216X08L)"#1 287.2,29 r90 top
R11 "10K" "RES 1206 (3216X08L)"#1 287.2,79 r90 top
R11 "10K" "RES 1206 (3216X08L)"#1 287.2,129 r90 top
R11 "10K" "RES 1206 (3216X08L)"#1 287.2,179 r90 top
R11 "10K" "RES 1206 (3216X08L)"#1 287.2,229 r90 top
R11 "10K" "RES 1206 (3216X08L)"#1 244.7,29 r90 top
R11 "10K" "RES 1206 (3216X08L)"#1 244.7,79 r90 top
R11 "10K" "RES 1206 (3216X08L)"#1 244.7,129 r90 top
R11 "10K" "RES 1206 (3216X08L)"#1 244.7,179 r90 top
R11 "10K" "RES 1206 (3216X08L)"#1 244.7,229 r90 top
R11 "10K" "RES 1206 (3216X08L)"#1 202.2,29 r90 top
R11 "10K" "RES 1206 (3216X08L)"#1 202.2,79 r90 top
R11 "10K" "RES 1206 (3216X08L)"#1 202.2,129 r90 top
R11 "10K" "RES 1206 (3216X08L)"#1 202.2,179 r90 top
R11 "10K" "RES 1206 (3216X08L)"#1 202.2,229 r90 top
R11 "10K" "RES 1206 (3216X08L)"#1 159.7,29 r90 top
R11 "10K" "RES 1206 (3216X08L)"#1 159.7,79 r90 top
R11 "10K" "RES 1206 (3216X08L)"#1 159.7,129 r90 top
R11 "10K" "RES 1206 (3216X08L)"#1 159.7,179 r90 top
R11 "10K" "RES 1206 (3216X08L)"#1 159.7,229 r90 top
R11 "10K" "RES 1206 (3216X08L)"#1 117.2,29 r90 top
R11 "10K" "RES 1206 (3216X08L)"#1 117.2,79 r90 top
R11 "10K" "RES 1206 (3216X08L)"#1 117.2,129 r90 top
R11 "10K" "RES 1206 (3216X08L)"#1 117.2,179 r90 top
R11 "10K" "RES 1206 (3216X08L)"#1 117.2,229 r90 top
R11 "10K" "RES 1206 (3216X08L)"#1 74.7,29 r90 top
R11 "10K" "RES 1206 (3216X08L)"#1 74.7,79 r90 top
R11 "10K" "RES 1206 (3216X08L)"#1 74.7,129 r90 top
R11 "10K" "RES 1206 (3216X08L)"#1 74.7,179 r90 top
R11 "10K" "RES 1206 (3216X08L)"#1 74.7,229 r90 top
R11 "10K" "RES 1206 (3216X08L)"#1 32.2,29 r90 top
R11 "10K" "RES 1206 (3216X08L)"#1 32.2,79 r90 top
R11 "10K" "RES 1206 (3216X08L)"#1 32.2,129 r90 top
R11 "10K" "RES 1206 (3216X08L)"#1 32.2,179 r90 top
R11 "10K" "RES 1206 (3216X08L)"#1 32.2,229 r90 top
R12 "10K" "RES 1206 (3216X08L)"#1 283.587,28.924 r270 top
R12 "10K" "RES 1206 (3216X08L)"#1 283.587,78.924 r270 top
R12 "10K" "RES 1206 (3216X08L)"#1 283.587,128.924 r270 top
R12 "10K" "RES 1206 (3216X08L)"#1 283.587,178.924 r270 top
R12 "10K" "RES 1206 (3216X08L)"#1 283.587,228.924 r270 top
R12 "10K" "RES 1206 (3216X08L)"#1 241.087,28.924 r270 top
R12 "10K" "RES 1206 (3216X08L)"#1 241.087,78.924 r270 top
R12 "10K" "RES 1206 (3216X08L)"#1 241.087,128.924 r270 top
R12 "10K" "RES 1206 (3216X08L)"#1 241.087,178.924 r270 top
R12 "10K" "RES 1206 (3216X08L)"#1 241.087,228.924 r270 top
R12 "10K" "RES 1206 (3216X08L)"#1 198.587,28.924 r270 top
R12 "10K" "RES 1206 (3216X08L)"#1 198.587,78.924 r270 top
R12 "10K" "RES 1206 (3216X08L)"#1 198.587,128.924 r270 top
R12 "10K" "RES 1206 (3216X08L)"#1 198.587,178.924 r270 top
R12 "10K" "RES 1206 (3216X08L)"#1 198.587,228.924 r270 top
R12 "10K" "RES 1206 (3216X08L)"#1 156.087,28.924 r270 top
R12 "10K" "RES 1206 (3216X08L)"#1 156.087,78.924 r270 top
R12 "10K" "RES 1206 (3216X08L)"#1 156.087,128.924 r270 top
R12 "10K" "RES 1206 (3216X08L)"#1 156.087,178.924 r270 top
R12 "10K" "RES 1206 (3216X08L)"#1 156.087,228.924 r270 top
R12 "10K" "RES 1206 (3216X08L)"#1 113.587,28.924 r270 top
R12 "10K" "RES 1206 (3216X08L)"#1 113.587,78.924 r270 top